# Altium PCB STB_LightBoard.PcbDoc (part 9 of 31)
Units mm, origin at the board's own origin, x right, y up, seen from the top; angles counter-clockwise.
Board outline 348 x 348 mm, 2 copper layers (Top Layer, Bottom Layer), stack 1.672 mm thick; 3807 components, 3391 nets, 11616 pads, 2553 vias.
Unrouted connection lines stored in the file: 68.
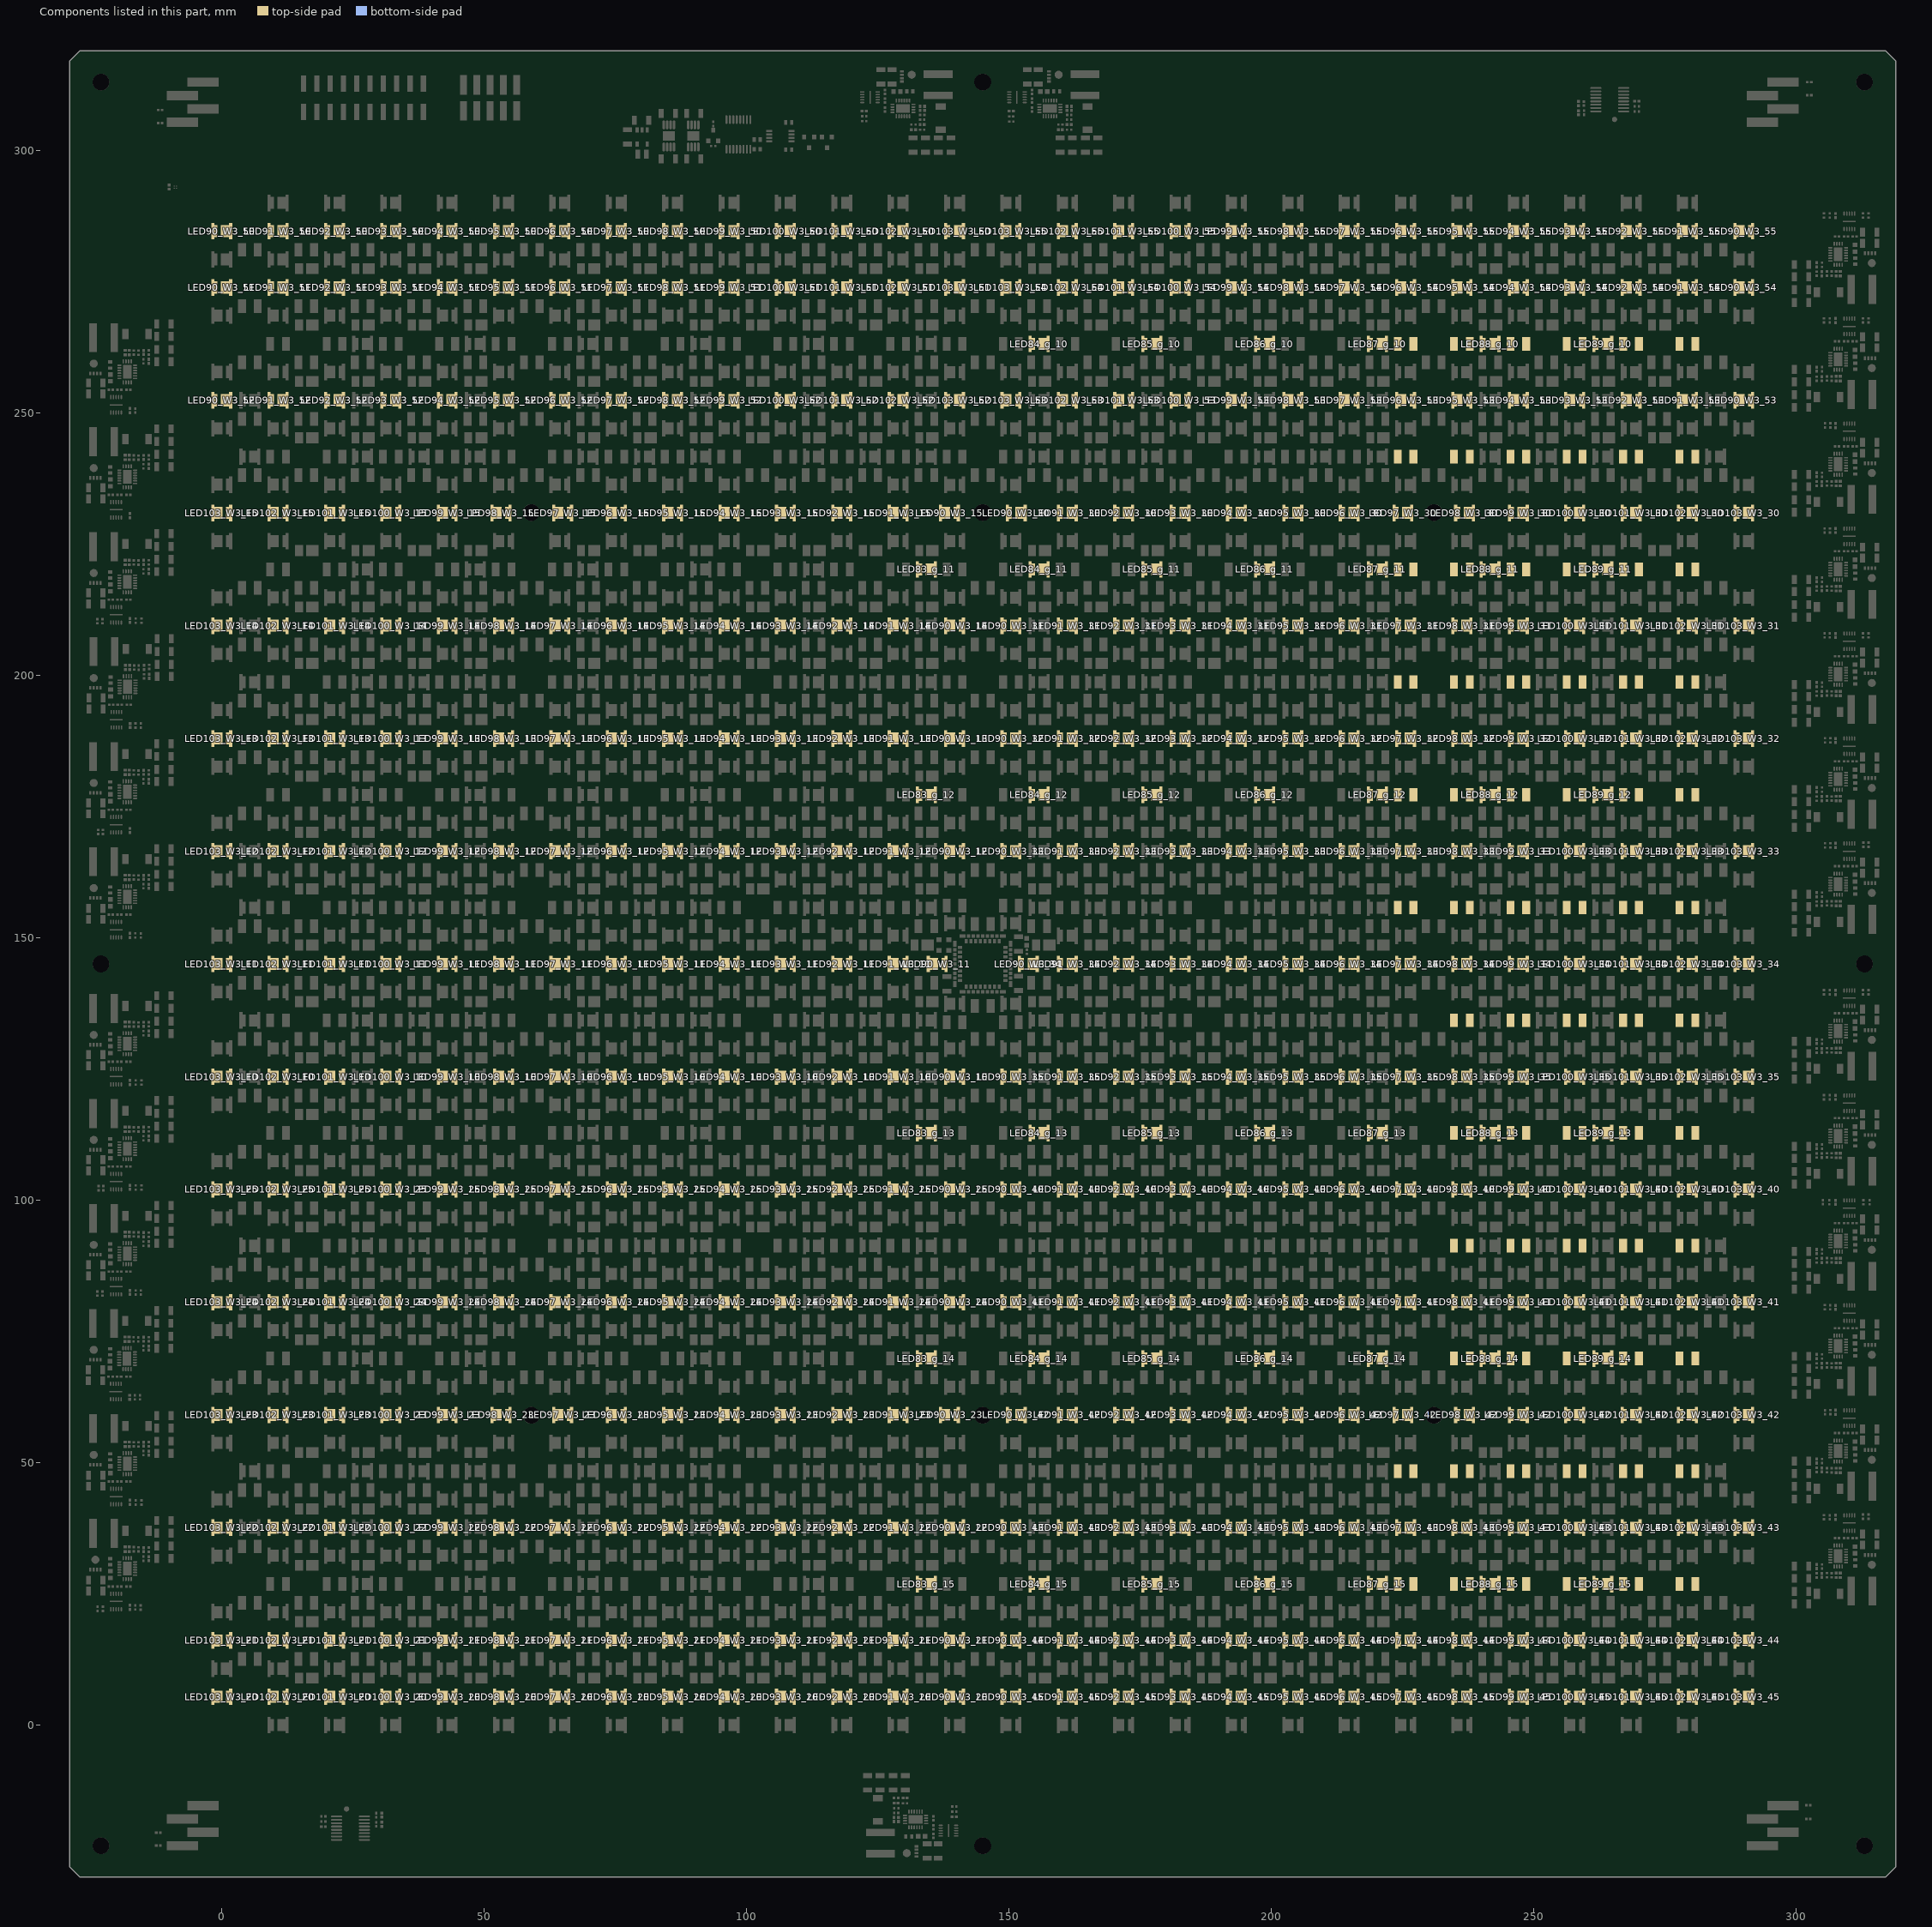
[diagram p9: the components of this part, seen from the top]

## Components (designator, comment, footprint, x,y, rotation, side; value= is the part's Value field where it differs from the comment) (continued)
LED83_g_11 "NE2G757GT" NE2G757GT 134.262,220.17 r180 top (schematic designator LED83)
LED83_g_12 "NE2G757GT" NE2G757GT 134.262,177.21 r180 top (schematic designator LED83)
LED83_g_13 "NE2G757GT" NE2G757GT 134.262,112.77 r180 top (schematic designator LED83)
LED83_g_14 "NE2G757GT" NE2G757GT 134.262,69.81 r180 top (schematic designator LED83)
LED83_g_15 "NE2G757GT" NE2G757GT 134.262,26.85 r180 top (schematic designator LED83)
LED84_g_10 "NE2G757GT" NE2G757GT 155.744,263.13 r180 top (schematic designator LED84)
LED84_g_11 "NE2G757GT" NE2G757GT 155.744,220.17 r180 top (schematic designator LED84)
LED84_g_12 "NE2G757GT" NE2G757GT 155.744,177.21 r180 top (schematic designator LED84)
LED84_g_13 "NE2G757GT" NE2G757GT 155.744,112.77 r180 top (schematic designator LED84)
LED84_g_14 "NE2G757GT" NE2G757GT 155.744,69.81 r180 top (schematic designator LED84)
LED84_g_15 "NE2G757GT" NE2G757GT 155.744,26.85 r180 top (schematic designator LED84)
LED85_g_10 "NE2G757GT" NE2G757GT 177.226,263.13 r180 top (schematic designator LED85)
LED85_g_11 "NE2G757GT" NE2G757GT 177.226,220.17 r180 top (schematic designator LED85)
LED85_g_12 "NE2G757GT" NE2G757GT 177.226,177.21 r180 top (schematic designator LED85)
LED85_g_13 "NE2G757GT" NE2G757GT 177.226,112.77 r180 top (schematic designator LED85)
LED85_g_14 "NE2G757GT" NE2G757GT 177.226,69.81 r180 top (schematic designator LED85)
LED85_g_15 "NE2G757GT" NE2G757GT 177.226,26.85 r180 top (schematic designator LED85)
LED86_g_10 "NE2G757GT" NE2G757GT 198.708,263.13 r180 top (schematic designator LED86)
LED86_g_11 "NE2G757GT" NE2G757GT 198.708,220.17 r180 top (schematic designator LED86)
LED86_g_12 "NE2G757GT" NE2G757GT 198.708,177.21 r180 top (schematic designator LED86)
LED86_g_13 "NE2G757GT" NE2G757GT 198.708,112.77 r180 top (schematic designator LED86)
LED86_g_14 "NE2G757GT" NE2G757GT 198.708,69.81 r180 top (schematic designator LED86)
LED86_g_15 "NE2G757GT" NE2G757GT 198.708,26.85 r180 top (schematic designator LED86)
LED87_g_10 "NE2G757GT" NE2G757GT 220.19,263.13 r180 top (schematic designator LED87)
LED87_g_11 "NE2G757GT" NE2G757GT 220.19,220.17 r180 top (schematic designator LED87)
LED87_g_12 "NE2G757GT" NE2G757GT 220.19,177.21 r180 top (schematic designator LED87)
LED87_g_13 "NE2G757GT" NE2G757GT 220.19,112.77 r180 top (schematic designator LED87)
LED87_g_14 "NE2G757GT" NE2G757GT 220.19,69.81 r180 top (schematic designator LED87)
LED87_g_15 "NE2G757GT" NE2G757GT 220.19,26.85 r180 top (schematic designator LED87)
LED88_g_10 "NE2G757GT" NE2G757GT 241.672,263.13 r180 top (schematic designator LED88)
LED88_g_11 "NE2G757GT" NE2G757GT 241.672,220.17 r180 top (schematic designator LED88)
LED88_g_12 "NE2G757GT" NE2G757GT 241.672,177.21 r180 top (schematic designator LED88)
LED88_g_13 "NE2G757GT" NE2G757GT 241.672,112.77 r180 top (schematic designator LED88)
LED88_g_14 "NE2G757GT" NE2G757GT 241.672,69.81 r180 top (schematic designator LED88)
LED88_g_15 "NE2G757GT" NE2G757GT 241.672,26.85 r180 top (schematic designator LED88)
LED89_g_10 "NE2G757GT" NE2G757GT 263.154,263.13 r180 top (schematic designator LED89)
LED89_g_11 "NE2G757GT" NE2G757GT 263.154,220.17 r180 top (schematic designator LED89)
LED89_g_12 "NE2G757GT" NE2G757GT 263.154,177.21 r180 top (schematic designator LED89)
LED89_g_13 "NE2G757GT" NE2G757GT 263.154,112.77 r180 top (schematic designator LED89)
LED89_g_14 "NE2G757GT" NE2G757GT 263.154,69.81 r180 top (schematic designator LED89)
LED89_g_15 "NE2G757GT" NE2G757GT 263.154,26.85 r180 top (schematic designator LED89)
LED90_W3_10 "NF2L757GT-F1" NF2W757GT-F1 139.633,123.51 r0 top (schematic designator LED90)
LED90_W3_11 "NF2L757GT-F1" NF2W757GT-F1 136.333,144.99 r0 top (schematic designator LED90)
LED90_W3_12 "NF2L757GT-F1" NF2W757GT-F1 139.633,166.47 r0 top (schematic designator LED90)
LED90_W3_13 "NF2L757GT-F1" NF2W757GT-F1 139.633,187.95 r0 top (schematic designator LED90)
LED90_W3_14 "NF2L757GT-F1" NF2W757GT-F1 139.633,209.43 r0 top (schematic designator LED90)
LED90_W3_15 "NF2L757GT-F1" NF2W757GT-F1 138.633,230.91 r0 top (schematic designator LED90)
LED90_W3_20 "NF2L757GT-F1" NF2W757GT-F1 139.633,5.37 r0 top (schematic designator LED90)
LED90_W3_21 "NF2L757GT-F1" NF2W757GT-F1 139.633,16.11 r0 top (schematic designator LED90)
LED90_W3_22 "NF2L757GT-F1" NF2W757GT-F1 139.633,37.59 r0 top (schematic designator LED90)
LED90_W3_23 "NF2L757GT-F1" NF2W757GT-F1 138.633,59.07 r0 top (schematic designator LED90)
LED90_W3_24 "NF2L757GT-F1" NF2W757GT-F1 139.633,80.55 r0 top (schematic designator LED90)
LED90_W3_25 "NF2L757GT-F1" NF2W757GT-F1 139.633,102.03 r0 top (schematic designator LED90)
LED90_W3_30 "NF2L757GT-F1" NF2W757GT-F1 151.374,230.91 r180 top (schematic designator LED90)
LED90_W3_31 "NF2L757GT-F1" NF2W757GT-F1 150.374,209.43 r180 top (schematic designator LED90)
LED90_W3_32 "NF2L757GT-F1" NF2W757GT-F1 150.374,187.95 r180 top (schematic designator LED90)
LED90_W3_33 "NF2L757GT-F1" NF2W757GT-F1 150.374,166.47 r180 top (schematic designator LED90)
LED90_W3_34 "NF2L757GT-F1" NF2W757GT-F1 153.674,144.99 r180 top (schematic designator LED90)
LED90_W3_35 "NF2L757GT-F1" NF2W757GT-F1 150.374,123.51 r180 top (schematic designator LED90)
LED90_W3_40 "NF2L757GT-F1" NF2W757GT-F1 150.374,102.03 r180 top (schematic designator LED90)
LED90_W3_41 "NF2L757GT-F1" NF2W757GT-F1 150.374,80.55 r180 top (schematic designator LED90)
LED90_W3_42 "NF2L757GT-F1" NF2W757GT-F1 151.374,59.07 r180 top (schematic designator LED90)
LED90_W3_43 "NF2L757GT-F1" NF2W757GT-F1 150.374,37.59 r180 top (schematic designator LED90)
LED90_W3_44 "NF2L757GT-F1" NF2W757GT-F1 150.374,16.11 r180 top (schematic designator LED90)
LED90_W3_45 "NF2L757GT-F1" NF2W757GT-F1 150.374,5.37 r180 top (schematic designator LED90)
LED90_W3_50 "NF2L757GT-F1" NF2W757GT-F1 0,284.61 r180 top (schematic designator LED90)
LED90_W3_51 "NF2L757GT-F1" NF2W757GT-F1 0,273.87 r180 top (schematic designator LED90)
LED90_W3_52 "NF2L757GT-F1" NF2W757GT-F1 0,252.39 r180 top (schematic designator LED90)
LED90_W3_53 "NF2L757GT-F1" NF2W757GT-F1 290.007,252.39 r0 top (schematic designator LED90)
LED90_W3_54 "NF2L757GT-F1" NF2W757GT-F1 290.007,273.87 r0 top (schematic designator LED90)
LED90_W3_55 "NF2L757GT-F1" NF2W757GT-F1 290.007,284.61 r0 top (schematic designator LED90)
LED91_W3_10 "NF2L757GT-F1" NF2W757GT-F1 128.892,123.51 r0 top (schematic designator LED91)
LED91_W3_11 "NF2L757GT-F1" NF2W757GT-F1 128.892,144.99 r0 top (schematic designator LED91)
LED91_W3_12 "NF2L757GT-F1" NF2W757GT-F1 128.892,166.47 r0 top (schematic designator LED91)
LED91_W3_13 "NF2L757GT-F1" NF2W757GT-F1 128.892,187.95 r0 top (schematic designator LED91)
LED91_W3_14 "NF2L757GT-F1" NF2W757GT-F1 128.892,209.43 r0 top (schematic designator LED91)
LED91_W3_15 "NF2L757GT-F1" NF2W757GT-F1 128.892,230.91 r0 top (schematic designator LED91)
LED91_W3_20 "NF2L757GT-F1" NF2W757GT-F1 128.892,5.37 r0 top (schematic designator LED91)
LED91_W3_21 "NF2L757GT-F1" NF2W757GT-F1 128.892,16.11 r0 top (schematic designator LED91)
LED91_W3_22 "NF2L757GT-F1" NF2W757GT-F1 128.892,37.59 r0 top (schematic designator LED91)
LED91_W3_23 "NF2L757GT-F1" NF2W757GT-F1 128.892,59.07 r0 top (schematic designator LED91)
LED91_W3_24 "NF2L757GT-F1" NF2W757GT-F1 128.892,80.55 r0 top (schematic designator LED91)
LED91_W3_25 "NF2L757GT-F1" NF2W757GT-F1 128.892,102.03 r0 top (schematic designator LED91)
LED91_W3_30 "NF2L757GT-F1" NF2W757GT-F1 161.115,230.91 r180 top (schematic designator LED91)
LED91_W3_31 "NF2L757GT-F1" NF2W757GT-F1 161.115,209.43 r180 top (schematic designator LED91)
LED91_W3_32 "NF2L757GT-F1" NF2W757GT-F1 161.115,187.95 r180 top (schematic designator LED91)
LED91_W3_33 "NF2L757GT-F1" NF2W757GT-F1 161.115,166.47 r180 top (schematic designator LED91)
LED91_W3_34 "NF2L757GT-F1" NF2W757GT-F1 161.115,144.99 r180 top (schematic designator LED91)
LED91_W3_35 "NF2L757GT-F1" NF2W757GT-F1 161.115,123.51 r180 top (schematic designator LED91)
LED91_W3_40 "NF2L757GT-F1" NF2W757GT-F1 161.115,102.03 r180 top (schematic designator LED91)
LED91_W3_41 "NF2L757GT-F1" NF2W757GT-F1 161.115,80.55 r180 top (schematic designator LED91)
LED91_W3_42 "NF2L757GT-F1" NF2W757GT-F1 161.115,59.07 r180 top (schematic designator LED91)
LED91_W3_43 "NF2L757GT-F1" NF2W757GT-F1 161.115,37.59 r180 top (schematic designator LED91)
LED91_W3_44 "NF2L757GT-F1" NF2W757GT-F1 161.115,16.11 r180 top (schematic designator LED91)
LED91_W3_45 "NF2L757GT-F1" NF2W757GT-F1 161.115,5.37 r180 top (schematic designator LED91)
LED91_W3_50 "NF2L757GT-F1" NF2W757GT-F1 10.741,284.61 r180 top (schematic designator LED91)
LED91_W3_51 "NF2L757GT-F1" NF2W757GT-F1 10.741,273.87 r180 top (schematic designator LED91)
LED91_W3_52 "NF2L757GT-F1" NF2W757GT-F1 10.741,252.39 r180 top (schematic designator LED91)
LED91_W3_53 "NF2L757GT-F1" NF2W757GT-F1 279.266,252.39 r0 top (schematic designator LED91)
LED91_W3_54 "NF2L757GT-F1" NF2W757GT-F1 279.266,273.87 r0 top (schematic designator LED91)
LED91_W3_55 "NF2L757GT-F1" NF2W757GT-F1 279.266,284.61 r0 top (schematic designator LED91)
LED92_W3_10 "NF2L757GT-F1" NF2W757GT-F1 118.151,123.51 r0 top (schematic designator LED92)
LED92_W3_11 "NF2L757GT-F1" NF2W757GT-F1 118.151,144.99 r0 top (schematic designator LED92)
LED92_W3_12 "NF2L757GT-F1" NF2W757GT-F1 118.151,166.47 r0 top (schematic designator LED92)
LED92_W3_13 "NF2L757GT-F1" NF2W757GT-F1 118.151,187.95 r0 top (schematic designator LED92)
LED92_W3_14 "NF2L757GT-F1" NF2W757GT-F1 118.151,209.43 r0 top (schematic designator LED92)
LED92_W3_15 "NF2L757GT-F1" NF2W757GT-F1 118.151,230.91 r0 top (schematic designator LED92)
LED92_W3_20 "NF2L757GT-F1" NF2W757GT-F1 118.151,5.37 r0 top (schematic designator LED92)
LED92_W3_21 "NF2L757GT-F1" NF2W757GT-F1 118.151,16.11 r0 top (schematic designator LED92)
LED92_W3_22 "NF2L757GT-F1" NF2W757GT-F1 118.151,37.59 r0 top (schematic designator LED92)
LED92_W3_23 "NF2L757GT-F1" NF2W757GT-F1 118.151,59.07 r0 top (schematic designator LED92)
LED92_W3_24 "NF2L757GT-F1" NF2W757GT-F1 118.151,80.55 r0 top (schematic designator LED92)
LED92_W3_25 "NF2L757GT-F1" NF2W757GT-F1 118.151,102.03 r0 top (schematic designator LED92)
LED92_W3_30 "NF2L757GT-F1" NF2W757GT-F1 171.856,230.91 r180 top (schematic designator LED92)
LED92_W3_31 "NF2L757GT-F1" NF2W757GT-F1 171.856,209.43 r180 top (schematic designator LED92)
LED92_W3_32 "NF2L757GT-F1" NF2W757GT-F1 171.856,187.95 r180 top (schematic designator LED92)
LED92_W3_33 "NF2L757GT-F1" NF2W757GT-F1 171.856,166.47 r180 top (schematic designator LED92)
LED92_W3_34 "NF2L757GT-F1" NF2W757GT-F1 171.856,144.99 r180 top (schematic designator LED92)
LED92_W3_35 "NF2L757GT-F1" NF2W757GT-F1 171.856,123.51 r180 top (schematic designator LED92)
LED92_W3_40 "NF2L757GT-F1" NF2W757GT-F1 171.856,102.03 r180 top (schematic designator LED92)
LED92_W3_41 "NF2L757GT-F1" NF2W757GT-F1 171.856,80.55 r180 top (schematic designator LED92)
LED92_W3_42 "NF2L757GT-F1" NF2W757GT-F1 171.856,59.07 r180 top (schematic designator LED92)
LED92_W3_43 "NF2L757GT-F1" NF2W757GT-F1 171.856,37.59 r180 top (schematic designator LED92)
LED92_W3_44 "NF2L757GT-F1" NF2W757GT-F1 171.856,16.11 r180 top (schematic designator LED92)
LED92_W3_45 "NF2L757GT-F1" NF2W757GT-F1 171.856,5.37 r180 top (schematic designator LED92)
LED92_W3_50 "NF2L757GT-F1" NF2W757GT-F1 21.482,284.61 r180 top (schematic designator LED92)
LED92_W3_51 "NF2L757GT-F1" NF2W757GT-F1 21.482,273.87 r180 top (schematic designator LED92)
LED92_W3_52 "NF2L757GT-F1" NF2W757GT-F1 21.482,252.39 r180 top (schematic designator LED92)
LED92_W3_53 "NF2L757GT-F1" NF2W757GT-F1 268.525,252.39 r0 top (schematic designator LED92)
LED92_W3_54 "NF2L757GT-F1" NF2W757GT-F1 268.525,273.87 r0 top (schematic designator LED92)
LED92_W3_55 "NF2L757GT-F1" NF2W757GT-F1 268.525,284.61 r0 top (schematic designator LED92)
LED93_W3_10 "NF2L757GT-F1" NF2W757GT-F1 107.41,123.51 r0 top (schematic designator LED93)
LED93_W3_11 "NF2L757GT-F1" NF2W757GT-F1 107.41,144.99 r0 top (schematic designator LED93)
LED93_W3_12 "NF2L757GT-F1" NF2W757GT-F1 107.41,166.47 r0 top (schematic designator LED93)
LED93_W3_13 "NF2L757GT-F1" NF2W757GT-F1 107.41,187.95 r0 top (schematic designator LED93)
LED93_W3_14 "NF2L757GT-F1" NF2W757GT-F1 107.41,209.43 r0 top (schematic designator LED93)
LED93_W3_15 "NF2L757GT-F1" NF2W757GT-F1 107.41,230.91 r0 top (schematic designator LED93)
LED93_W3_20 "NF2L757GT-F1" NF2W757GT-F1 107.41,5.37 r0 top (schematic designator LED93)
LED93_W3_21 "NF2L757GT-F1" NF2W757GT-F1 107.41,16.11 r0 top (schematic designator LED93)
LED93_W3_22 "NF2L757GT-F1" NF2W757GT-F1 107.41,37.59 r0 top (schematic designator LED93)
LED93_W3_23 "NF2L757GT-F1" NF2W757GT-F1 107.41,59.07 r0 top (schematic designator LED93)
LED93_W3_24 "NF2L757GT-F1" NF2W757GT-F1 107.41,80.55 r0 top (schematic designator LED93)
LED93_W3_25 "NF2L757GT-F1" NF2W757GT-F1 107.41,102.03 r0 top (schematic designator LED93)
LED93_W3_30 "NF2L757GT-F1" NF2W757GT-F1 182.597,230.91 r180 top (schematic designator LED93)
LED93_W3_31 "NF2L757GT-F1" NF2W757GT-F1 182.597,209.43 r180 top (schematic designator LED93)
LED93_W3_32 "NF2L757GT-F1" NF2W757GT-F1 182.597,187.95 r180 top (schematic designator LED93)
LED93_W3_33 "NF2L757GT-F1" NF2W757GT-F1 182.597,166.47 r180 top (schematic designator LED93)
LED93_W3_34 "NF2L757GT-F1" NF2W757GT-F1 182.597,144.99 r180 top (schematic designator LED93)
LED93_W3_35 "NF2L757GT-F1" NF2W757GT-F1 182.597,123.51 r180 top (schematic designator LED93)
LED93_W3_40 "NF2L757GT-F1" NF2W757GT-F1 182.597,102.03 r180 top (schematic designator LED93)
LED93_W3_41 "NF2L757GT-F1" NF2W757GT-F1 182.597,80.55 r180 top (schematic designator LED93)
LED93_W3_42 "NF2L757GT-F1" NF2W757GT-F1 182.597,59.07 r180 top (schematic designator LED93)
LED93_W3_43 "NF2L757GT-F1" NF2W757GT-F1 182.597,37.59 r180 top (schematic designator LED93)
LED93_W3_44 "NF2L757GT-F1" NF2W757GT-F1 182.597,16.11 r180 top (schematic designator LED93)
LED93_W3_45 "NF2L757GT-F1" NF2W757GT-F1 182.597,5.37 r180 top (schematic designator LED93)
LED93_W3_50 "NF2L757GT-F1" NF2W757GT-F1 32.223,284.61 r180 top (schematic designator LED93)
LED93_W3_51 "NF2L757GT-F1" NF2W757GT-F1 32.223,273.87 r180 top (schematic designator LED93)
LED93_W3_52 "NF2L757GT-F1" NF2W757GT-F1 32.223,252.39 r180 top (schematic designator LED93)
LED93_W3_53 "NF2L757GT-F1" NF2W757GT-F1 257.784,252.39 r0 top (schematic designator LED93)
LED93_W3_54 "NF2L757GT-F1" NF2W757GT-F1 257.784,273.87 r0 top (schematic designator LED93)
LED93_W3_55 "NF2L757GT-F1" NF2W757GT-F1 257.784,284.61 r0 top (schematic designator LED93)
LED94_W3_10 "NF2L757GT-F1" NF2W757GT-F1 96.669,123.51 r0 top (schematic designator LED94)
LED94_W3_11 "NF2L757GT-F1" NF2W757GT-F1 96.669,144.99 r0 top (schematic designator LED94)
LED94_W3_12 "NF2L757GT-F1" NF2W757GT-F1 96.669,166.47 r0 top (schematic designator LED94)
LED94_W3_13 "NF2L757GT-F1" NF2W757GT-F1 96.669,187.95 r0 top (schematic designator LED94)
LED94_W3_14 "NF2L757GT-F1" NF2W757GT-F1 96.669,209.43 r0 top (schematic designator LED94)
LED94_W3_15 "NF2L757GT-F1" NF2W757GT-F1 96.669,230.91 r0 top (schematic designator LED94)
LED94_W3_20 "NF2L757GT-F1" NF2W757GT-F1 96.669,5.37 r0 top (schematic designator LED94)
LED94_W3_21 "NF2L757GT-F1" NF2W757GT-F1 96.669,16.11 r0 top (schematic designator LED94)
LED94_W3_22 "NF2L757GT-F1" NF2W757GT-F1 96.669,37.59 r0 top (schematic designator LED94)
LED94_W3_23 "NF2L757GT-F1" NF2W757GT-F1 96.669,59.07 r0 top (schematic designator LED94)
LED94_W3_24 "NF2L757GT-F1" NF2W757GT-F1 96.669,80.55 r0 top (schematic designator LED94)
LED94_W3_25 "NF2L757GT-F1" NF2W757GT-F1 96.669,102.03 r0 top (schematic designator LED94)
LED94_W3_30 "NF2L757GT-F1" NF2W757GT-F1 193.338,230.91 r180 top (schematic designator LED94)
LED94_W3_31 "NF2L757GT-F1" NF2W757GT-F1 193.338,209.43 r180 top (schematic designator LED94)
LED94_W3_32 "NF2L757GT-F1" NF2W757GT-F1 193.338,187.95 r180 top (schematic designator LED94)
LED94_W3_33 "NF2L757GT-F1" NF2W757GT-F1 193.338,166.47 r180 top (schematic designator LED94)
LED94_W3_34 "NF2L757GT-F1" NF2W757GT-F1 193.338,144.99 r180 top (schematic designator LED94)
LED94_W3_35 "NF2L757GT-F1" NF2W757GT-F1 193.338,123.51 r180 top (schematic designator LED94)
LED94_W3_40 "NF2L757GT-F1" NF2W757GT-F1 193.338,102.03 r180 top (schematic designator LED94)
LED94_W3_41 "NF2L757GT-F1" NF2W757GT-F1 193.338,80.55 r180 top (schematic designator LED94)
LED94_W3_42 "NF2L757GT-F1" NF2W757GT-F1 193.338,59.07 r180 top (schematic designator LED94)
LED94_W3_43 "NF2L757GT-F1" NF2W757GT-F1 193.338,37.59 r180 top (schematic designator LED94)
LED94_W3_44 "NF2L757GT-F1" NF2W757GT-F1 193.338,16.11 r180 top (schematic designator LED94)
LED94_W3_45 "NF2L757GT-F1" NF2W757GT-F1 193.338,5.37 r180 top (schematic designator LED94)
LED94_W3_50 "NF2L757GT-F1" NF2W757GT-F1 42.964,284.61 r180 top (schematic designator LED94)
LED94_W3_51 "NF2L757GT-F1" NF2W757GT-F1 42.964,273.87 r180 top (schematic designator LED94)
LED94_W3_52 "NF2L757GT-F1" NF2W757GT-F1 42.964,252.39 r180 top (schematic designator LED94)
LED94_W3_53 "NF2L757GT-F1" NF2W757GT-F1 247.043,252.39 r0 top (schematic designator LED94)
LED94_W3_54 "NF2L757GT-F1" NF2W757GT-F1 247.043,273.87 r0 top (schematic designator LED94)
LED94_W3_55 "NF2L757GT-F1" NF2W757GT-F1 247.043,284.61 r0 top (schematic designator LED94)
LED95_W3_10 "NF2L757GT-F1" NF2W757GT-F1 85.928,123.51 r0 top (schematic designator LED95)
LED95_W3_11 "NF2L757GT-F1" NF2W757GT-F1 85.928,144.99 r0 top (schematic designator LED95)
LED95_W3_12 "NF2L757GT-F1" NF2W757GT-F1 85.928,166.47 r0 top (schematic designator LED95)
LED95_W3_13 "NF2L757GT-F1" NF2W757GT-F1 85.928,187.95 r0 top (schematic designator LED95)
LED95_W3_14 "NF2L757GT-F1" NF2W757GT-F1 85.928,209.43 r0 top (schematic designator LED95)
LED95_W3_15 "NF2L757GT-F1" NF2W757GT-F1 85.928,230.91 r0 top (schematic designator LED95)
LED95_W3_20 "NF2L757GT-F1" NF2W757GT-F1 85.928,5.37 r0 top (schematic designator LED95)
LED95_W3_21 "NF2L757GT-F1" NF2W757GT-F1 85.928,16.11 r0 top (schematic designator LED95)
LED95_W3_22 "NF2L757GT-F1" NF2W757GT-F1 85.928,37.59 r0 top (schematic designator LED95)
LED95_W3_23 "NF2L757GT-F1" NF2W757GT-F1 85.928,59.07 r0 top (schematic designator LED95)
LED95_W3_24 "NF2L757GT-F1" NF2W757GT-F1 85.928,80.55 r0 top (schematic designator LED95)
LED95_W3_25 "NF2L757GT-F1" NF2W757GT-F1 85.928,102.03 r0 top (schematic designator LED95)
LED95_W3_30 "NF2L757GT-F1" NF2W757GT-F1 204.079,230.91 r180 top (schematic designator LED95)
LED95_W3_31 "NF2L757GT-F1" NF2W757GT-F1 204.079,209.43 r180 top (schematic designator LED95)
LED95_W3_32 "NF2L757GT-F1" NF2W757GT-F1 204.079,187.95 r180 top (schematic designator LED95)
LED95_W3_33 "NF2L757GT-F1" NF2W757GT-F1 204.079,166.47 r180 top (schematic designator LED95)
LED95_W3_34 "NF2L757GT-F1" NF2W757GT-F1 204.079,144.99 r180 top (schematic designator LED95)
LED95_W3_35 "NF2L757GT-F1" NF2W757GT-F1 204.079,123.51 r180 top (schematic designator LED95)
LED95_W3_40 "NF2L757GT-F1" NF2W757GT-F1 204.079,102.03 r180 top (schematic designator LED95)
LED95_W3_41 "NF2L757GT-F1" NF2W757GT-F1 204.079,80.55 r180 top (schematic designator LED95)
LED95_W3_42 "NF2L757GT-F1" NF2W757GT-F1 204.079,59.07 r180 top (schematic designator LED95)
LED95_W3_43 "NF2L757GT-F1" NF2W757GT-F1 204.079,37.59 r180 top (schematic designator LED95)
LED95_W3_44 "NF2L757GT-F1" NF2W757GT-F1 204.079,16.11 r180 top (schematic designator LED95)
LED95_W3_45 "NF2L757GT-F1" NF2W757GT-F1 204.079,5.37 r180 top (schematic designator LED95)
LED95_W3_50 "NF2L757GT-F1" NF2W757GT-F1 53.705,284.61 r180 top (schematic designator LED95)
LED95_W3_51 "NF2L757GT-F1" NF2W757GT-F1 53.705,273.87 r180 top (schematic designator LED95)
LED95_W3_52 "NF2L757GT-F1" NF2W757GT-F1 53.705,252.39 r180 top (schematic designator LED95)
LED95_W3_53 "NF2L757GT-F1" NF2W757GT-F1 236.302,252.39 r0 top (schematic designator LED95)
LED95_W3_54 "NF2L757GT-F1" NF2W757GT-F1 236.302,273.87 r0 top (schematic designator LED95)
LED95_W3_55 "NF2L757GT-F1" NF2W757GT-F1 236.302,284.61 r0 top (schematic designator LED95)
LED96_W3_10 "NF2L757GT-F1" NF2W757GT-F1 75.187,123.51 r0 top (schematic designator LED96)
LED96_W3_11 "NF2L757GT-F1" NF2W757GT-F1 75.187,144.99 r0 top (schematic designator LED96)
LED96_W3_12 "NF2L757GT-F1" NF2W757GT-F1 75.187,166.47 r0 top (schematic designator LED96)